# KiCad board AMC_FMC_Carrier-PcbDoc.kicad_pcb (continued)
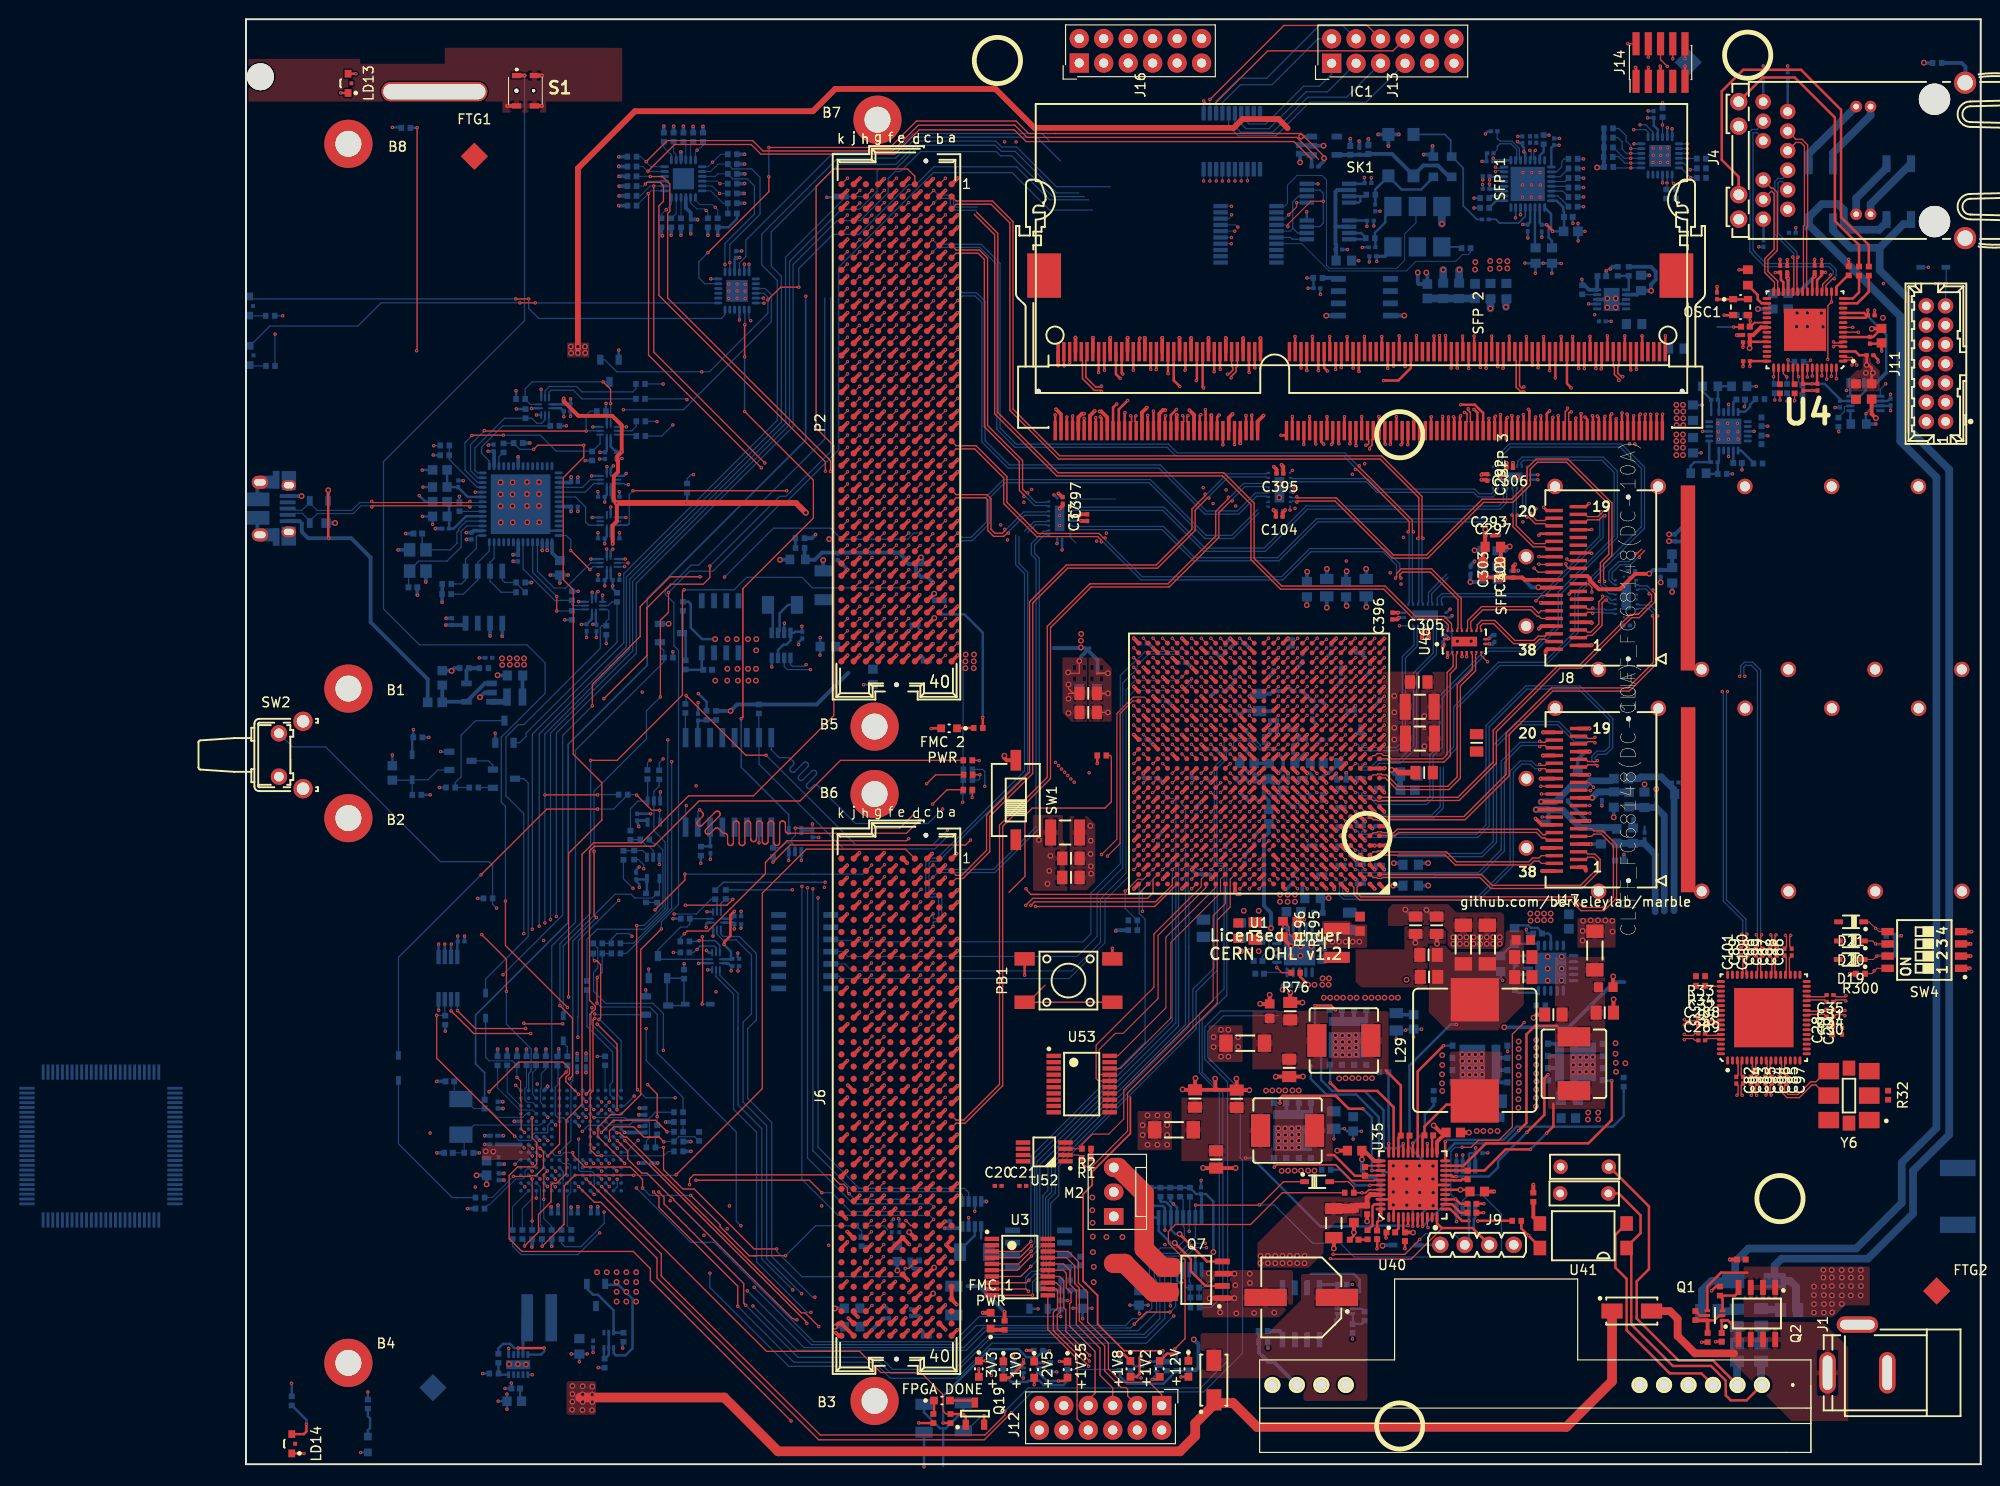
[diagram p0: board, top side]
## Routing (per net, layer and track width the routed paths; a pad name or vN(x,y) marks a point on that pad's centre or on a via; arc(x,y) is an arc through that point) (continued)
/LPC_RST: length 157.7
  Top w0.102: v1(28.11,40.15) 28.5,39.77 28.5,37.75 28.55,37.7 28.55,34.79 v1(28.9,34.43)
  Top w0.127: J14.10 v1(149.32,145.92)
  In2.Cu w0.127: v1(28.11,40.15) 28.48,40.51 28.48,43.01 30.43,44.96 v1(30.43,55.85)
  Bottom w0.102: v1(28.11,40.15) R138.1 28.09,41.41 27.63,41.87 25.22,41.87
  Bottom w0.127: v1(28.9,34.43) 28.55,34.79 28.53,34.79 ; 89.67,132.61 84.09,132.61 79.96,136.74 78.41,136.74 77.8,137.35 69.85,137.35 67.43,134.94 61.52,134.94 54.51,127.93 54.51,124.37 55.55,123.33 55.55,108.18 39.47,92.1 39.47,84.85 30.43,75.81 v1(30.43,55.85) ; 25.22,41.87 24.86,42.23 D3.2
/MMC/AT_DET: length 123
  Top w0.127: 132.71,24.09 132.86,23.94 132.92,23.94 v1(133.09,23.76)
  Top w0.254: R179.2 132.32,24.48 134.25,22.54 U41.4
  In2.Cu w0.127: v1(133.09,23.76) 133.09,22.44 131.7,21.05 113.31,21.05 106.65,14.39 104.95,14.39 98.45,7.89 80.06,7.89 78.17,9.77 76.45,9.77 75.94,9.26 66.85,9.26 65.94,10.18 51.86,10.18 38.58,23.46 35.91,23.46 33.17,26.2 33.17,26.64 32.1,27.71 v1(32.1,28.79)
  Bottom w0.127: v1(32.1,28.79) 31.73,29.17 31.73,29.19
/MMC/BOOT_MODE0: length 69.1
  Top w0.127: v1(35.3,38.42) 35.69,38.81 35.69,46.72 36.04,47.06 36.06,47.06 36.24,47.23 36.24,47.55 35.64,48.15 35.64,63.65 36.14,64.15 42.31,64.15 47.01,68.85 57.48,68.85 61.69,73.07 R286.2
  Bottom w0.127: 34.93,38.79 34.93,38.79 v1(35.3,38.42)
/MMC/BOOT_MODE1: length 4.2
  Top w0.13: v1(70.62,70.64) 71.55,71.57 R287.2
/MMC/BOOT_MODE2: length 3.8
  Top w0.13: v1(71.24,68.52) 72.74,70.02 R288.2
/MMC/EN_FMC1_P12V: length 66.5
  GND5.Cu w0.127: v1(35.3,36.82) 35.67,36.45 35.67,30.3 36.73,29.24 38.32,29.24 38.89,28.67 v1(40.51,28.67)
  Bottom w0.127: 34.93,37.19 34.93,37.19 v1(35.3,36.82) ; R188.1 v1(84.53,15.33) 76.07,15.33 73.45,12.72 58.89,12.72 48.58,23.03 46.15,23.03 v1(40.51,28.67)
  Bottom w0.254: R188.1 83.27,16.06 Q8.1
/MMC/EN_FMC2_P12V: length 51.6
  Bottom w0.127: 31.73,38.77 31.73,38.79 31.73,53.79 34.19,56.25 34.19,74.12 43.37,83.3 R201.1 43.37,84.45 42.94,84.87 Q9.1
/MMC/EN_PSU_CH: length 132.3
  Top w0.127: v1(56.56,4.49) 41.96,19.09 41.96,20.31 40.18,22.09 28.62,22.09 27.3,23.41 27.3,29.97 28.2,30.87 29.88,30.87 30.16,31.15 30.16,33.4 29.69,33.87 v1(29.69,35.96) ; R245.2 107.54,28.18 104.24,24.88 96.44,24.88 95.71,24.16 95.71,22.94 97.44,21.22 97.44,13.03 v1(96.36,11.95)
  In4.Cu w0.127: v1(56.56,4.49) 58.34,2.71 77.8,2.71 80.26,5.17 80.26,7.24 85.15,12.13 96.19,12.13 v1(96.36,11.95)
  Bottom w0.102: v1(29.69,35.96) 29.33,35.59 29.33,35.59
  Bottom w0.127: 29.33,35.59 29.33,35.58
/MMC/HW_ID0: length 4.6
  Bottom w0.102: 30.93,37.19 30.55,37.57 30.55,38.97 30.63,39.05 30.63,40.53 31.11,41.01 R144.1
  Bottom w0.127: 30.93,37.19 30.95,37.19
/MMC/HW_ID1: length 3.7
  Bottom w0.102: R146.1 30.1,41.01 29.75,40.66 29.75,38.37 30.13,37.99
  Bottom w0.127: 30.13,37.99 30.13,37.96
/MMC/HW_ID2: length 5.1
  Bottom w0.102: R147.1 29.11,39.13 28.95,38.97 28.95,37.81 29.19,37.57 29.75,37.57 30.13,37.19
  Bottom w0.127: 30.13,37.19 30.13,37.17
/MMC/HW_ID3: length 6.8
  Bottom w0.127: 33.33,35.57 33.33,35.59 32.96,35.96 32.38,35.96 32.09,36.25 32.09,39.12 32.38,39.41 32.38,41.41
/MMC/I2C_PM_SCL: length 149.8
  Top w0.127: v1(112.8,21.78) 120.24,21.78 v1(121.79,23.33) ; v1(51.85,16.5) 51.65,16.7 51.65,18.75 43.38,27.02 43.38,27.7 v1(42.82,28.26) ; v1(21.28,47.06) 23.63,44.71 v1(29.55,44.71)
  Top w0.254: U35.12 124.95,26.49 126.19,25.26 v1(126.89,25.26)
  In2.Cu w0.127: v1(99.53,22.94) 111.64,22.94 112.8,21.78 v1(112.8,21.78)
  GND5.Cu w0.127: v1(29.55,44.71) 30.48,43.78 30.48,41.67 29.61,40.81 29.61,39.31 30.87,38.06 35.69,38.06 36.14,37.61 v1(36.9,37.61) 37.29,37.22 37.29,32.19 38.81,30.67 40.41,30.67 v1(42.82,28.26)
  Bottom w0.127: 36.53,37.99 36.53,37.99 v1(36.9,37.61) ; U28.2 21.28,47.06 v1(21.28,47.06) ; v1(51.85,16.5) 57.26,11.09 65.85,11.09 67.09,9.85 73.52,9.85 77.16,13.49 93.2,13.49 94.83,15.12 94.83,20.07 U27.16 94.7,21.1 95.2,21.6 97.07,21.6 98.41,22.94 v1(99.53,22.94) ; v1(121.79,23.33) 122.4,23.94 125.3,23.94 J9.2
  Bottom w0.254: v1(126.89,25.26) 126.89,26.48 U29.2 126.9,23.21 J9.2
/MMC/I2C_PM_SDA: length 150.8
  Top w0.127: v1(42.29,28.26) 42.85,27.7 42.85,26.66 51.03,18.48 v1(51.03,16.4) ; v1(21.94,47.08) 23.8,45.23 v1(29,45.23) ; v1(112.52,21.35) 112.58,21.3 120.91,21.3 124.08,24.47 124.08,24.52
  Top w0.254: J9.3 127.26,24.52 124.08,24.52 123.58,25.01 U35.11
  In2.Cu w0.127: v1(112.52,21.35) 111.39,22.48 v1(99.66,22.48)
  GND5.Cu w0.127: v1(29,45.23) 29,44.5 29.59,43.91 29.59,42.36 29.28,42.05 29.28,39.03 31.11,37.2 35.71,37.2 v1(36.09,36.82) 36.09,36.55 36.51,36.13 36.51,30.27 36.74,30.04 38.94,30.04 39.75,29.23 41.32,29.23 v1(42.29,28.26)
  Bottom w0.127: 35.73,37.19 35.73,37.19 v1(36.09,36.82) ; U28.1 21.93,47.1 v1(21.94,47.08) ; v1(99.66,22.48) 98.5,22.48 97.29,21.28 95.5,21.28 95.34,21.11 U27.15 95.34,15.13 93.37,13.16 77.29,13.16 73.54,9.41 66.9,9.41 65.73,10.58 56.84,10.58 v1(51.03,16.4)
  Bottom w0.254: J9.3 127.41,24.37 127.41,25.43 127.55,25.58 U29.1
/MMC/ISP_RSTn: length 25.2
  Bottom w0.127: D3.1 24.86,50.36 29.28,54.78 29.28,70.7 28.83,71.16 Q14.3
/MMC/LPC_ISPn: length 67.2
  Top w0.127: v1(38.5,36.8) 38.5,43.63 v1(36.45,45.69) ; v1(28.83,45.79) 28.9,45.71 v1(32.86,45.71)
  In2.Cu w0.127: v1(28.83,55.08) v1(28.83,45.79) ; v1(32.86,45.71) 32.89,45.69 v1(36.45,45.69)
  Bottom w0.127: 38.13,37.19 38.13,37.17 v1(38.5,36.8) ; v1(28.83,55.08) 28.83,67.53 26.97,69.38 26.97,75.48 28.27,76.77 28.83,76.77 36.76,84.71 36.76,86.89 36.94,87.06 37.37,87.06 37.37,87.48 37.65,87.76 37.65,88.58 37.5,88.73 U24.5
/MMC/MMC_CONS_PROG_RxD: length 73.9
  GND5.Cu w0.127: v1(30.12,27.63) 30.12,28.17 27.47,30.82 27.47,38.23 28.46,39.22 28.46,40.85 27.47,41.83 27.47,73.56 39.29,85.39 v1(39.29,93.18)
  Bottom w0.102: v1(30.12,27.63) 30.13,27.63 30.13,28.39
  Bottom w0.127: 30.13,28.39 30.13,28.38 ; U25.5 39.27,93.16 v1(39.29,93.18)
/MMC/MMC_CONS_PROG_TxD: length 71.1
  GND5.Cu w0.127: v1(39.65,93.56) 39.82,93.39 39.82,85.05 28.46,73.69 28.46,43.59 28.72,43.32 28.72,42.18 28.91,42 28.91,38.96 31.68,36.18 31.68,30.87 v1(32.13,30.42)
  Bottom w0.127: v1(32.13,30.42) 31.76,30.79 31.73,30.79 ; U25.4 v1(39.65,93.56)
/MMC/MMC_TRST: length 7.1
  Top w0.102: v1(30.9,27.5) 30.9,30.08 v1(31.26,30.45)
  Bottom w0.102: R139.1 31.72,24.7 30.9,25.52 v1(30.9,27.5)
  Bottom w0.127: v1(31.26,30.45) 30.93,30.78 30.93,30.79
/MMC/OVER_TEMP: length 168.3
  Top w0.127: D2.1 107.66,29.33 105.24,26.91 v1(105.15,26.91) 105.13,26.89 v1(98.52,26.89) ; v1(27.89,34.05) 19.78,42.15 v1(19.78,46.6)
  In2.Cu w0.127: v1(44.02,27.35) 44.02,22.14 49.3,16.86 52.17,16.86 v1(52.6,16.42)
  GND5.Cu w0.127: v1(44.02,27.35) 34.74,27.35 34.15,27.94 34.15,28.94 32.13,30.96 v1(32.13,35.22)
  Bottom w0.127: v1(32.13,35.22) 31.76,35.59 31.73,35.59 31.32,35.18 31.32,34.46 31.26,34.4 29.96,34.4 29.72,34.16 29.72,33.82 29.49,33.6 28.34,33.6 v1(27.89,34.05) ; v1(98.52,26.89) 98.52,25.61 U27.7 98.51,23.56 96.84,21.88 95.04,21.88 94.24,21.09 94.24,19.33 94.48,19.09 94.48,15.79 92.55,13.86 76.76,13.86 74.72,11.83 57.2,11.83 v1(52.6,16.42) ; U28.3 20.63,46.61 R178.2 20.63,46.6 v1(19.78,46.6) ; v1(105.15,26.91) 106.7,26.91 110.66,22.95 113.54,22.95 114.98,21.5 129.87,21.5 130.27,21.91 130.27,25.98 128.29,27.96 126.84,27.96 126.25,27.37 U29.3
/MMC/SW: length 148.6
  Top w0.127: v1(26.92,58.46) 26.92,53.85 v1(33.36,47.41) ; v1(36.9,32.02) 36.36,32.02 35.73,32.66 35.73,38.48 36.01,38.77 36.01,46.1 v1(36.19,46.28)
  Top w0.4: S1.1 28.9,144.16 v1(28.9,144.16)
  In2.Cu w0.127: v1(33.36,47.41) 34.49,46.28 v1(36.19,46.28)
  Bottom w0.102: v1(36.9,32.02) 37.15,32.02 37.16,32.01 43.35,32.01 43.81,32.48 R143.2
  Bottom w0.127: 36.53,32.39 36.53,32.39 v1(36.9,32.02) ; v1(28.9,144.16) 28.9,118.71 14.27,104.08 14.27,88.79 18.01,85.06 29.16,85.06 31.04,83.18 31.04,80.03 26.49,75.48 26.49,68.72 26.92,68.29 v1(26.92,58.46)
/MMC_TCK: length 152.6
  Top w0.127: J14.4 v1(145.51,146.07)
  In2.Cu w0.127: v1(29.69,30.42) 30.89,31.62 30.89,32.64 30.87,32.67 30.87,36.28 30.75,36.4 30.75,43.55 31.59,44.4 v1(31.59,56.53)
  Bottom w0.102: R137.1 24.75,26.55 25.14,26.95 25.29,26.95 27.26,28.92 27.31,28.92 28,29.61 28.71,29.61 28.95,29.85 28.95,30.41 29.33,30.79
  Bottom w0.127: 29.33,30.79 29.33,30.78 v1(29.69,30.42) ; 36.15,80.45 40.12,84.42 40.12,91.63 56.4,107.92 56.4,124.87 61.8,130.27 63.65,130.27 65.48,132.1 65.48,134.23 65.73,134.48 67.46,134.48 69.9,136.92 77.75,136.92 78.38,136.29 79.8,136.29 84.12,131.97 86.41,131.97 ; 36.15,80.45 36.09,80.39 ; 36.15,80.45 31.59,75.9 v1(31.59,56.53)
/MMC_TDI: length 1.6
  Top w0.127: J14.8 v1(148.05,145.9)
/MMC_TDO: length 2.7
  Top w0.127: v1(147.49,145.1) 146.78,145.81 J14.6
/MMC_TMS: length 153.5
  Top w0.102: v1(29.69,25.24) v1(29.69,29.61)
  Top w0.127: v1(143.37,147.47) 143.38,147.46 J14.2
  In2.Cu w0.127: v1(30.88,54.37) 30.88,44.42 29.73,43.27 29.73,43.16 29.32,42.75 29.32,35.78 29.33,35.77 29.33,30.61 29.32,30.6 29.32,30.24 29.69,29.88 v1(29.69,29.61)
  GND5.Cu w0.127: v1(29.72,55.54) v1(30.88,54.37)
  Bottom w0.102: v1(29.69,25.24) R140.1
  Bottom w0.127: v1(29.69,29.61) 29.33,29.97 29.33,29.99 ; 84.53,135.27 82.04,137.76 69.59,137.76 67.41,135.58 61.39,135.58 53.51,127.7 53.51,124.5 55.13,122.89 55.13,108.37 39.2,92.45 39.2,85.28 29.72,75.8 v1(29.72,55.54)
/PMOD/Pmod1_0: length 49.6
  Top w0.127: v1(81.45,23.13) 80.41,22.09 U3.3 ; v1(94.12,61.73) 94.62,62.23 U1.C24
  Bottom w0.127: v1(94.12,61.73) 92.68,60.28 92.68,57.2 93.29,56.58 93.29,43.8 81.45,31.96 v1(81.45,23.13)
/PMOD/Pmod1_1: length 50.5
  Top w0.11: U1.C22 v1(96.12,61.73)
  Top w0.127: U3.4 80.28,21.44 v1(81.5,22.65)
  Bottom w0.11: 96.12,58.86 v1(96.12,61.73)
  Bottom w0.127: 96.12,58.96 96.12,46.04 81.83,31.74 81.83,22.98 v1(81.5,22.65)
/PMOD/Pmod1_2: length 60
  Top w0.11: v1(95.12,69.73) 95.61,70.21 95.62,70.21
  Top w0.127: v1(81.49,22.13) 80.14,20.79 U3.5
  Bottom w0.127: v1(81.49,22.13) 82.07,22.72 82.07,31.4 96.49,45.81 96.49,68.9 96.29,69.1 95.75,69.1 v1(95.12,69.73)
/PMOD/Pmod1_3: length 53
  Top w0.11: U1.D21 v1(97.12,62.73)
  Top w0.127: v1(81.51,21.61) 80.04,20.14 U3.6
  Bottom w0.11: 96.76,59.18 96.76,62.37 v1(97.12,62.73)
  Bottom w0.127: 96.76,59.18 96.76,45.5 82.37,31.11 82.37,22.47 v1(81.51,21.61)
/PMOD/Pmod1_4: length 60.2
  Top w0.11: 97.61,69.25 97.61,69.25 v1(97.12,68.75)
  Top w0.127: U3.7 80.39,19.49 v1(81.44,20.54)
  Bottom w0.127: v1(97.12,68.75) 97.12,68.51 97.49,68.14 97.49,45.64 83.21,31.36 83.21,28.42 82.69,27.9 82.69,21.79 v1(81.44,20.54)
/PMOD/Pmod1_5: length 56
  Top w0.11: U1.C18 100.12,61.73 v1(100.12,61.73)
  Top w0.127: U3.8 80.97,18.84 v1(81.24,19.11)
  Bottom w0.127: v1(100.12,61.73) 100.37,61.73 100.48,61.62 100.48,51.53 98.25,49.3 98.25,45.27 83.96,30.99 83.96,28.15 83.24,27.43 83.24,21.5 83.03,21.29 83.03,20.19 82.57,19.72 81.85,19.72 v1(81.24,19.11)
/PMOD/Pmod1_6: length 57.7
  Top w0.11: U1.C19 v1(99.12,61.73)
  Top w0.127: U3.9 80.96,18.19 v1(81.19,17.96)
  Bottom w0.11: 97.83,53.74 97.83,59.5 97.77,59.57 97.77,61.93 97.91,62.08 98.43,62.08 98.79,61.73 v1(99.12,61.73)
  Bottom w0.127: 97.83,53.74 97.83,45.4 83.59,31.15 83.59,28.27 82.97,27.65 82.97,21.59 82.74,21.37 82.74,20.55 82.23,20.03 81.54,20.03 80.9,19.4 80.9,18.25 v1(81.19,17.96)
/PMOD/Pmod1_7: length 57.6
  Top w0.11: U1.C17 v1(101.12,61.73)
  Top w0.127: v1(81.62,17.54) 81.62,17.54 U3.10
  Bottom w0.127: v1(101.12,61.73) 100.77,61.38 100.77,51.26 98.58,49.08 98.58,45.17 84.34,30.93 84.34,27.92 83.5,27.07 83.5,21.18 83.34,21.02 83.34,19.88 82.8,19.35 82.06,19.35 81.62,18.9 v1(81.62,17.54)
/PMOD/Pmod1_C_0: length 23.8
  Top w0.127: J12.1 95.02,7.21 93.73,8.51 90.88,8.51 89.49,9.89 89.49,12.59 87.33,14.75 87.33,17.85 86.37,18.8 86.37,21.03 85.32,22.09 U3.18
/PMOD/Pmod1_C_1: length 20.6
  Top w0.127: U3.17 85.14,21.44 86,20.58 86,18.74 86.47,18.27 86.47,14.89 89.1,12.27 89.1,9.68 90.81,7.97 91.3,7.97 91.48,7.78 91.48,7.09 J12.3
/PMOD/Pmod1_C_2: length 18.4
  Top w0.127: U3.16 84.83,20.79 85.51,20.1 85.51,18.65 86.16,18 86.16,14.5 88.61,12.05 88.61,9.24 89.94,7.91 J12.5
/PMOD/Pmod1_C_3: length 17.4
  Top w0.127: U3.15 84.81,20.14 85.12,19.83 85.12,18.29 85.61,17.81 85.61,16.82 85.47,16.69 85.47,14.33 88.1,11.7 88.1,7.37 87.4,6.67 J12.7
/PMOD/Pmod1_C_4: length 22.7
  Top w0.127: U3.14 84.43,19.49 84.86,19.06 84.86,16.24 85.07,16.02 85.07,13.79 v1(87.55,11.31)
  In9.Cu w0.127: J12.2 93.66,4.91 93.66,7.11 89.46,11.3 87.56,11.3 v1(87.55,11.31)
/PMOD/Pmod1_C_5: length 20.7
  Top w0.127: v1(87.51,10.7) 84.19,14.03 84.19,15.53 84.51,15.85 84.51,18.41 84.07,18.84 U3.13
  In9.Cu w0.127: v1(87.51,10.7) 87.52,10.7 88.89,10.7 91.25,8.34 91.25,4.77 J12.4
/PMOD/Pmod1_C_6: length 18.7
  Top w0.127: 83.77,14.62 83.77,13.87 87.43,10.22 v1(87.43,10.17) ; 83.77,14.62 83.77,15.78 84.21,16.21 84.21,18.06 84.07,18.19 U3.12 ; 83.77,14.62 83.77,14.51
  In9.Cu w0.127: v1(87.43,10.17) 87.43,10.18 87.98,10.18 88.68,9.48 88.68,4.81 J12.6
/PMOD/Pmod1_C_7: length 15.7
  Top w0.127: U3.11 83.2,13.98 86.25,10.93 86.25,6.66 86.23,6.65 86.23,4.71 J12.8
/PMOD/Pmod2_0: length 55.8
  Top w0.102: v1(112.12,84.72) 111.63,84.23 U1.AE7
  In7.Cu w0.102: v1(112.12,84.72) 112.7,85.3 112.7,87.42 113.73,88.45 113.73,93.3 114.17,93.74 v1(114.17,93.75)
  In9.Cu w0.102: v1(114.17,93.75) 114.17,108.07 111.63,110.61 111.63,119.32 106.88,124.07 106.88,130.79 104.44,133.23 v1(103.92,133.23)
  Bottom w0.102: U12.3 103.92,133.23 v1(103.92,133.23)
/PMOD/Pmod2_1: length 63
  Top w0.102: U1.V7 111.62,77.24 v1(112.13,77.75)
  In9.Cu w0.102: v1(112.13,77.75) 112.38,77.75 112.77,78.14 112.77,87.86 113.55,88.64 113.55,103.03 113.74,103.22 113.74,107.97 110.95,110.76 110.95,114.74 111.17,114.96 111.17,119.13 106.55,123.75 106.55,130.38 104.06,132.87 103.62,132.87 v1(103.27,133.21)
  Bottom w0.102: v1(103.27,133.21) 103.27,133.22 U12.4
/PMOD/Pmod2_2: length 60.4
  Top w0.102: U1.Y7 111.62,79.23 v1(112.14,79.75)
  In9.Cu w0.102: v1(112.14,79.75) 112.14,79.99 112.46,80.32 112.46,88.15 113,88.69 113,108.4 110.55,110.85 110.55,116.7 110.21,117.04 110.21,119.54 106.14,123.6 106.14,130.29 103.91,132.53 103.3,132.53 v1(102.61,133.21)
  Bottom w0.102: v1(102.61,133.21) 102.62,133.22 U12.5
/PMOD/Pmod2_3: length 54.6
  Top w0.102: v1(112.12,85.63) 112.07,85.63 111.68,85.23 U1.AF7
  In9.Cu w0.102: v1(112.12,85.63) 112.12,87.92 111.6,88.43 111.6,103.69 112.15,104.23 112.15,107.9 111.72,108.33 111.72,109.11 109.14,111.68 109.14,116.88 109.18,116.91 109.18,120.02 105.78,123.42 105.78,130.13 103.67,132.24 102.94,132.24 v1(101.97,133.21)
  Bottom w0.102: U12.6 v1(101.97,133.21)
/PMOD/Pmod2_4: length 62.7
  Top w0.102: U1.V8 110.62,77.24 v1(111.13,77.75)
  In9.Cu w0.102: 111.74,78.36 111.74,86.46 ; 111.74,78.36 111.78,78.4 ; 111.74,78.36 v1(111.13,77.75) ; 111.74,86.46 111.74,87.65 111.21,88.18 111.21,105.59 111.32,105.7 111.32,108.9 108.42,111.8 108.42,120.44 105.45,123.41 105.45,129.99 103.51,131.92 102.61,131.92 v1(101.32,133.21) ; 111.74,86.46 111.74,86.54
  Bottom w0.102: U12.7 101.32,133.22 v1(101.32,133.21)
/PMOD/Pmod2_5: length 59.8
  Top w0.11: 110.59,80.23 v1(111.09,80.73)
  In9.Cu w0.102: 110.91,94.66 110.91,87.82 111.47,87.26 111.47,81.12 v1(111.09,80.73) ; 110.91,94.66 110.91,94.73 ; 110.91,94.66 110.91,105.11 110.67,105.35 110.67,107.54 110.79,107.66 110.79,108.89 108.04,111.65 108.04,120.31 105.15,123.19 105.15,129.77 103.31,131.61 102.28,131.61 v1(100.68,133.21)
  Bottom w0.102: U12.8 100.67,133.23 v1(100.68,133.21)
/PMOD/Pmod2_6: length 60.6
  Top w0.102: U1.Y8 110.62,79.26 v1(111.1,79.75)
  In9.Cu w0.102: v1(111.1,79.75) 111.1,79.99 110.76,80.34 110.76,87.24 110.56,87.43 110.56,89.37 110.57,89.38 110.57,104.57 110.09,105.05 110.09,108.55 109.79,108.85 109.79,109.27 107.55,111.51 107.55,120.18 104.76,122.98 104.76,129.52 103.02,131.26 101.97,131.26 v1(100.01,133.21)
  Bottom w0.102: U12.9 100.02,133.22 v1(100.01,133.21)
/PMOD/Pmod2_7: length 62.4
  Top w0.102: U1.W9 109.62,78.23 v1(110.08,78.69)
  In9.Cu w0.102: v1(110.08,78.69) 110.45,79.06 110.45,87.11 109.62,87.95 109.62,89.44 ; v1(99.36,133.21) 99.36,133.2 101.61,130.95 102.71,130.95 104.43,129.24 104.43,122.71 107.11,120.03 107.11,111.23 109.44,108.9 109.44,105.07 110.27,104.23 110.27,93.68 109.62,93.02 109.62,89.44 ; 109.62,89.44 109.62,89.52
  Bottom w0.102: U12.10 99.37,133.22 v1(99.36,133.21)
/PMOD/Pmod2_C_0: length 13
  Bottom w0.127: U12.18 103.92,139.29 103.92,139.28 104.06,139.13 105.82,139.13 109.73,143.04 111.39,143.04 111.69,143.35 112.65,144.3 J13.1
/PMOD/Pmod2_C_1: length 16
  Bottom w0.127: J13.3 112.22,142.47 109.99,142.47 106.17,138.64 103.77,138.64 103.27,139.15 U12.17
/PMOD/Pmod2_C_2: length 19.7
  Bottom w0.127: J13.5 114.21,141.91 110.18,141.91 106.55,138.28 103.2,138.28 102.62,138.86 U12.16
/PMOD/Pmod2_C_3: length 23.2
  Bottom w0.127: J13.7 116.23,141.39 110.36,141.39 106.88,137.92 102.92,137.92 101.97,138.87 U12.15
/PMOD/Pmod2_C_4: length 15.2
  Bottom w0.127: J13.2 111.23,147.97 106.46,143.2 103.18,143.2 101.32,141.34 U12.14
/PMOD/Pmod2_C_5: length 19.6
  Bottom w0.127: J13.4 113.83,149.32 111.35,149.32 105.9,143.88 103.04,143.88 100.67,141.5 U12.13
/PMOD/Pmod2_C_6: length 22.9
  Top w0.127: v1(100.02,141.68) 107.7,149.36 116.34,149.36 J13.6
  Bottom w0.127: U12.12 100.02,140.24 v1(100.02,141.68)
/PMOD/Pmod2_C_7: length 25.1
  Top w0.127: J13.8 119.02,146.72 106.02,146.72 100.52,141.23 99.66,141.23 v1(99.37,141.52)
  Bottom w0.127: U12.11 99.37,140.23 v1(99.37,141.52)
/Power/Power_SW/EN_1V2: length 26.4
  Top w0.127: v1(132.62,45.85) 131.4,44.63 131.4,35.03 129.98,33.61 127.85,33.61 127.13,32.9 v1(126.18,32.9)
  Top w0.254: U35.14 125.54,27.49 126,27.03 R167.2
  Bottom w0.127: v1(126.18,32.9) 126.17,32.88 125.45,32.88 125.02,32.45 125.02,28.01 v1(125.51,27.52)
/Power/Power_SW/EN_1V8: length 2.7
  Top w0.254: R157.2 126.03,26.11 125.14,26.99 U35.13
/Power/Power_SW/PSS_XRP_BST1: length 1.7
  Top w0.178: U35.35 116.25,30.99 C147.1
/Power/Power_SW/PSS_XRP_BST2: length 1.8
  Top w0.254: U35.29 120.58,33.96 C148.1
/Power/Power_SW/PSS_XRP_BST3: length 1.8
  Top w0.254: C149.1 123.08,34.03 U35.24
/Power/Power_SW/PSS_XRP_BST4: length 2.4
  Top w0.254: U35.18 125.34,29.49 125.37,29.46 126.07,29.46 126.19,29.58 C150.1
/Power/Power_SW/PSS_XRP_GH1: length 18.5
  Top w0.178: U35.36 116.83,30.49 v1(116.83,30.48)
  Top w0.254: 113.08,38.24 107.54,38.24 107.29,37.99 v1(107.29,37.48) ; 113.08,38.24 113.36,37.96 ; 113.08,38.24 114.42,36.9 v1(115.9,36.9)
  Bottom w0.254: v1(116.83,30.48) 116.83,35.97 v1(115.9,36.9) ; Q10.1 107.29,37.48 v1(107.29,37.48)
/Power/Power_SW/PSS_XRP_GH2: length 25.7
  Top w0.254: v1(110.92,47.62) 112.6,47.62 v1(113.05,47.16) ; v1(120.09,33.27) 120.08,33.26 U35.30
  Bottom w0.254: v1(120.09,33.27) 119.63,32.81 118.21,32.81 118.03,32.99 118.03,36.76 116.04,38.75 112.7,38.75 111.55,39.89 111.55,43.91 110.92,44.54 v1(110.92,47.62) ; Q11.1 112.44,47.16 v1(113.05,47.16)
/Power/Power_SW/PSS_XRP_GH3: length 14.9
  Top w0.254: v1(122.57,33.27) 122.58,33.27 U35.25
  In2.Cu w0.254: v1(122.57,33.27) 123.12,33.27 130.91,41.06 v1(130.91,42.84)
  Bottom w0.254: Q12.1 130.91,43.42 v1(130.91,42.84)
/Power/Power_SW/PSS_XRP_GH4: length 18.3
  Top w0.254: v1(135.1,40.45) 134.72,40.07 134.72,36.26 v1(132.92,34.46) ; v1(125.56,29.87) 125.55,29.86 125.19,29.86 125.07,29.99 U35.19
  Bottom w0.254: v1(132.92,34.46) 129.92,31.46 129.92,30.82 128.97,29.87 v1(125.56,29.87) ; Q13.1 v1(135.1,40.45)
/Power/Power_SW/PSS_XRP_GL1: length 12.8
  Top w0.178: U35.38 117.1,29.49 117.06,29.44 114.72,29.44 113.08,31.08 106.94,31.08 v1(106.69,30.83)
  Bottom w0.178: Q10.8 106.69,31.78 v1(106.69,30.83)
/Power/Power_SW/PSS_XRP_GL2: length 14.2
  Top w0.254: v1(112.49,39.6) 113.34,38.75 117.39,38.75 119.08,37.06 U35.32
  Bottom w0.254: v1(112.49,39.6) 112.49,41.42 Q11.8
/Power/Power_SW/PSS_XRP_GL3: length 13.2
  Top w0.254: v1(124.25,43.45) 121.58,40.77 U35.27
  Bottom w0.254: Q12.8 v1(124.25,43.45)
/Power/Power_SW/PSS_XRP_GL4: length 24.3
  Top w0.254: U35.21 126.33,30.99 128.66,33.32 139.29,33.32 141.72,35.75 v1(141.72,39.82)
  Bottom w0.254: v1(141.72,39.82) 140.81,39.82 Q13.8
/Power/Power_SW/PSS_XRP_LX1: length 6.4
  Top w0.178: C147.2 116.15,29.99 U35.37
  Top w0.254: 112.24,32.1 112.9,32.1 115.06,29.94 C147.2
  vias: v2(107.11,34.86) v2(107.13,34.2) v2(107.13,33.57) v2(107.13,32.86) v2(107.82,34.84) v2(107.85,34.18) v2(107.85,33.54) v2(107.85,32.83) v2(108.51,34.84) v2(108.53,34.18) v2(108.53,33.54) v2(108.53,32.83) v2(109.22,34.89) v2(109.24,34.23) v2(109.24,33.59) v2(109.24,32.88)
/Power/Power_SW/PSS_XRP_LX2: length 9.3
  Top w0.254: 118.26,40.88 119.83,39.32 C148.2 119.58,33.86 U35.31
  vias: v2(113.05,44.52) v2(113.08,43.86) v2(113.08,43.22) v2(113.08,42.51) v2(113.76,44.49) v2(113.79,43.83) v2(113.79,43.2) v2(113.79,42.48) v2(114.45,44.49) v2(114.47,43.83) v2(114.47,43.2) v2(114.47,42.48) v2(115.16,44.54) v2(115.19,43.88) v2(115.19,43.25) v2(115.19,42.54)
/Power/Power_SW/PSS_XRP_LX3: length 6.7
  Top w0.254: 125.19,37.33 124.56,37.33 122.29,35.05 C149.2 122.08,33.93 U35.26
  vias: v2(126.21,42.54) v2(126.21,41.85) v2(126.26,41.14) v2(126.26,40.43) v2(126.92,42.54) v2(126.92,41.85) v2(126.97,41.14) v2(126.97,40.43) v2(127.56,42.54) v2(127.56,41.85) v2(127.61,41.14) v2(127.61,40.43) v2(128.22,42.56) v2(128.22,41.88) v2(128.27,41.16) v2(128.27,40.45)
/Power/Power_SW/PSS_XRP_LX4: length 15.5
  Top w0.254: U35.20 126.75,30.49 C150.2 128.51,30.48 130.71,32.68 v1(133.27,32.68) ; v1(134.95,34.36) 135.66,35.07 135.66,37.43
  Bottom w0.254: v1(133.27,32.68) v1(134.95,34.36)
  vias: v2(137.69,40.71) v2(137.72,42.23) v2(137.72,41.44) v2(138.43,42.26) v2(138.43,41.47) v2(138.4,40.71) v2(139.09,42.26) v2(139.09,41.47) v2(139.06,40.73) v2(139.75,42.26) v2(139.75,41.47) v2(139.75,40.73)
/Power/Power_SW/XR77129ILB_F_VOUT1: length 20.7
  Top w0.254: U35.5 120.58,24.77 v1(120.58,24.76)
  Bottom w0.254: v1(120.58,24.76) 116.66,24.76 116.58,24.68 111.49,24.68 104.38,31.79 v1(103.71,31.79)
/Power/Power_SW/XR77129ILB_F_VOUT2: length 25.5
  Top w0.254: v1(121.06,24.7) 121.08,24.72 U35.6
  Bottom w0.254: v1(110.49,41.34) 110.49,40 112.11,38.37 115.21,38.37 117.55,36.03 117.55,30.67 117.93,30.29 120.85,30.29 121.06,30.08 v1(121.06,24.7)
/Power/Power_SW/XR77129ILB_F_VOUT3: length 25.3
  Top w0.254: U35.7 121.58,24.73 v1(121.59,24.72)
  Bottom w0.254: v1(121.59,24.72) 121.59,25.62 122.37,26.41 122.37,31.28 120.6,33.06 120.6,34.23 120.73,34.36 120.73,41.39 125,45.66 v1(125.57,45.66)
/Power/Power_SW/XR77129ILB_F_VOUT4: length 32.1
  Top w0.254: 136.06,45.51 133.75,45.51 132.86,44.62 132.86,35.43 v1(132.07,34.64) ; v1(122.08,24.67) 122.08,24.68 U35.8
  Bottom w0.254: v1(132.07,34.64) 130.74,33.3 125.41,33.3 124.51,32.4 124.51,27.1 v1(122.08,24.67)
/QSFP1/QSFP_Vcc: length 11.2
  Top w0.4: J17.30 133.87,67.97 v2(133.85,67.95)
  Bottom w0.102: 135.13,67.91 135.16,67.88 C406.1
  Bottom w0.7: 141.84,66.09 138.44,66.09 136.62,67.91 135.13,67.91 135.09,67.95 v2(133.85,67.95)
/QSFP1/QSFP_VccRx: length 5.5
  Top w0.4: v2(139.68,69.19) 139.66,69.17 J17.10
  Bottom w0.7: L30.2 143.47,69.8 140.29,69.8 v2(139.68,69.19)
/QSFP1/QSFP_VccTx: length 9.9
  Top w0.4: v2(134.38,68.77) 134.39,68.77 J17.29
  Bottom w0.7: 141.86,71.2 141.62,70.95 139.5,70.95 138.87,70.32 C408.1 137.43,70.32 135.88,68.77 v2(134.38,68.77)
/QSFP2/QSFP_Vcc: length 7.7
  Top w0.4: v2(134.1,91.03) 134.13,91 J8.30
  Bottom w0.4: C304.1 129.86,93.21 L5.2 130,92.03 C301.1 132.41,92.03 133.41,91.03 v2(134.1,91.03)
/QSFP2/QSFP_VccRx: length 12.8
  Top w0.4: J8.10 139.18,92.2 139.45,91.93 139.45,91.74 140.36,90.83 142.55,90.83 144.15,92.43 145.59,92.43 v2(145.61,92.44)
  Bottom w0.4: L1.2 147.99,94.45 C302.1 147.74,92.83 C299.1 145.99,92.83 v2(145.61,92.44)
/QSFP2/QSFP_VccTx: length 7.6
  Top w0.4: J8.29 134.13,91.8 ; 134.13,91.8 134.1,91.83 ; 134.13,91.8 132.68,91.8 132.43,92.05 C300.1 130.24,92.05 C303.1 128.44,92.07 L2.2
/SDRAM/DDR3_A0: length 36.8
  Top w0.11: U1.AC8 v1(111.12,82.73)
  Top w0.254: v1(115.49,113.44) 115.47,113.46 SK1.98
  In7.Cu w0.135: v1(115.49,113.44) 115.32,113.26 115.32,108.71 115.55,108.47 115.55,105.76 116.8,104.51 116.8,101.95 111.49,96.64 111.49,88.92 110.79,88.21 110.79,84.55 110.78,84.54 110.78,83.07 v1(111.12,82.73)
/SDRAM/DDR3_A1: length 28.8
  Top w0.11: U1.AB10 v1(109.12,81.73)
  Top w0.254: SK1.97 115.17,105.75 v1(115.19,105.73)
  In2.Cu w0.135: v1(115.19,105.73) 114.28,104.82 114.28,100.44 109.53,95.7 109.53,85.65 109.47,85.59 109.47,82.08 v1(109.12,81.73)
/SDRAM/DDR3_A2: length 39.1
  Top w0.11: U1.AA9 v1(110.12,80.73)
  Top w0.254: SK1.96 114.87,113.8 v1(114.88,113.78)
  In2.Cu w0.135: v1(114.88,113.78) 114.88,106.59 116.51,104.97 116.51,103.42 115.53,102.44 115.53,100.71 110.58,95.77 110.58,89 109.78,88.19 109.78,81.07 v1(110.12,80.73)
/SDRAM/DDR3_A3: length 29.5
  Top w0.11: U1.AA10 v1(109.12,80.73)
  Top w0.254: v1(114.54,105.93) 114.57,105.96 SK1.95
  In7.Cu w0.135: v1(109.12,80.73) 109.59,81.2 109.59,89.75 110.84,91 110.84,98.16 113.75,101.07 113.75,104.3 114.54,105.08 v1(114.54,105.93)
/SDRAM/DDR3_A4: length 34.8
  Top w0.11: 108.61,83.23 v1(109.11,83.73)
  Top w0.254: v1(113.65,113.83) 113.67,113.85 SK1.92
  In2.Cu w0.135: v1(109.11,83.73) 108.76,84.08 108.76,85.64 108.78,85.65 108.78,86.58 109.17,86.97 109.17,96.56 113.59,100.98 113.59,105.55 113.78,105.74 113.78,106.06 113.64,106.2 113.64,113.83 v1(113.65,113.83)